# Altium PCB Pleiades_Frouf.PcbDoc (part 1 of 12) (continued)
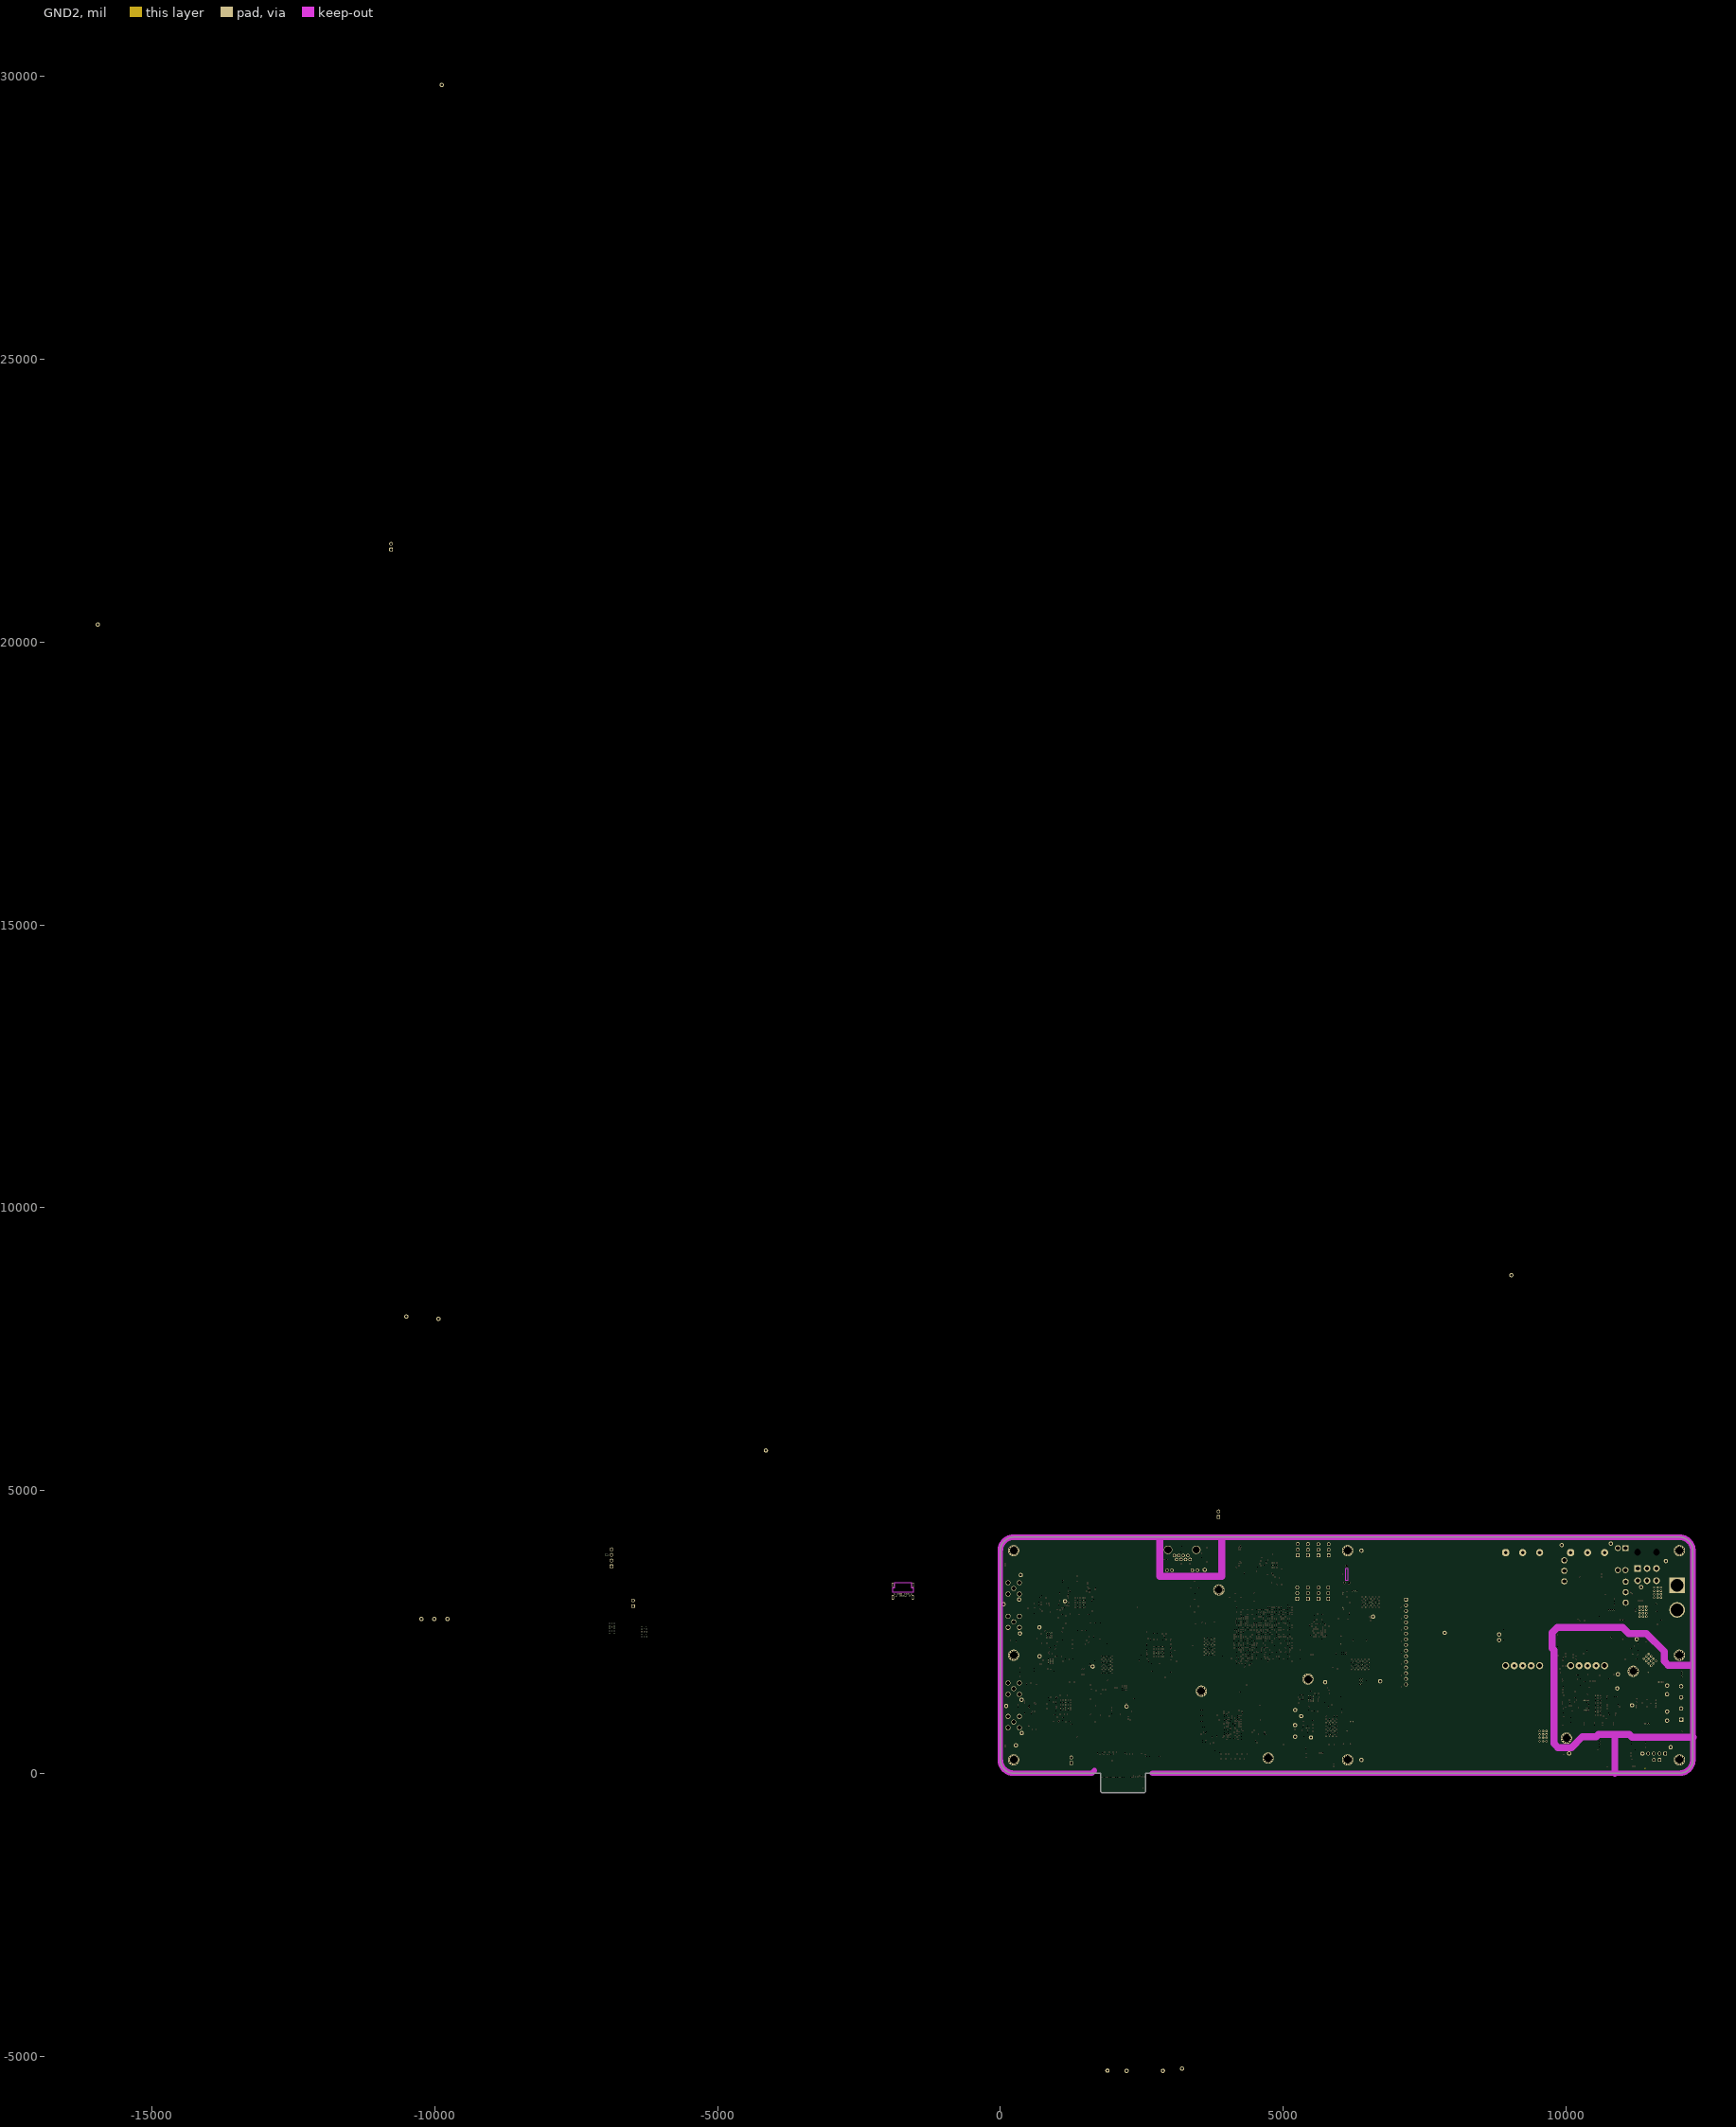
[diagram p4: GND2]
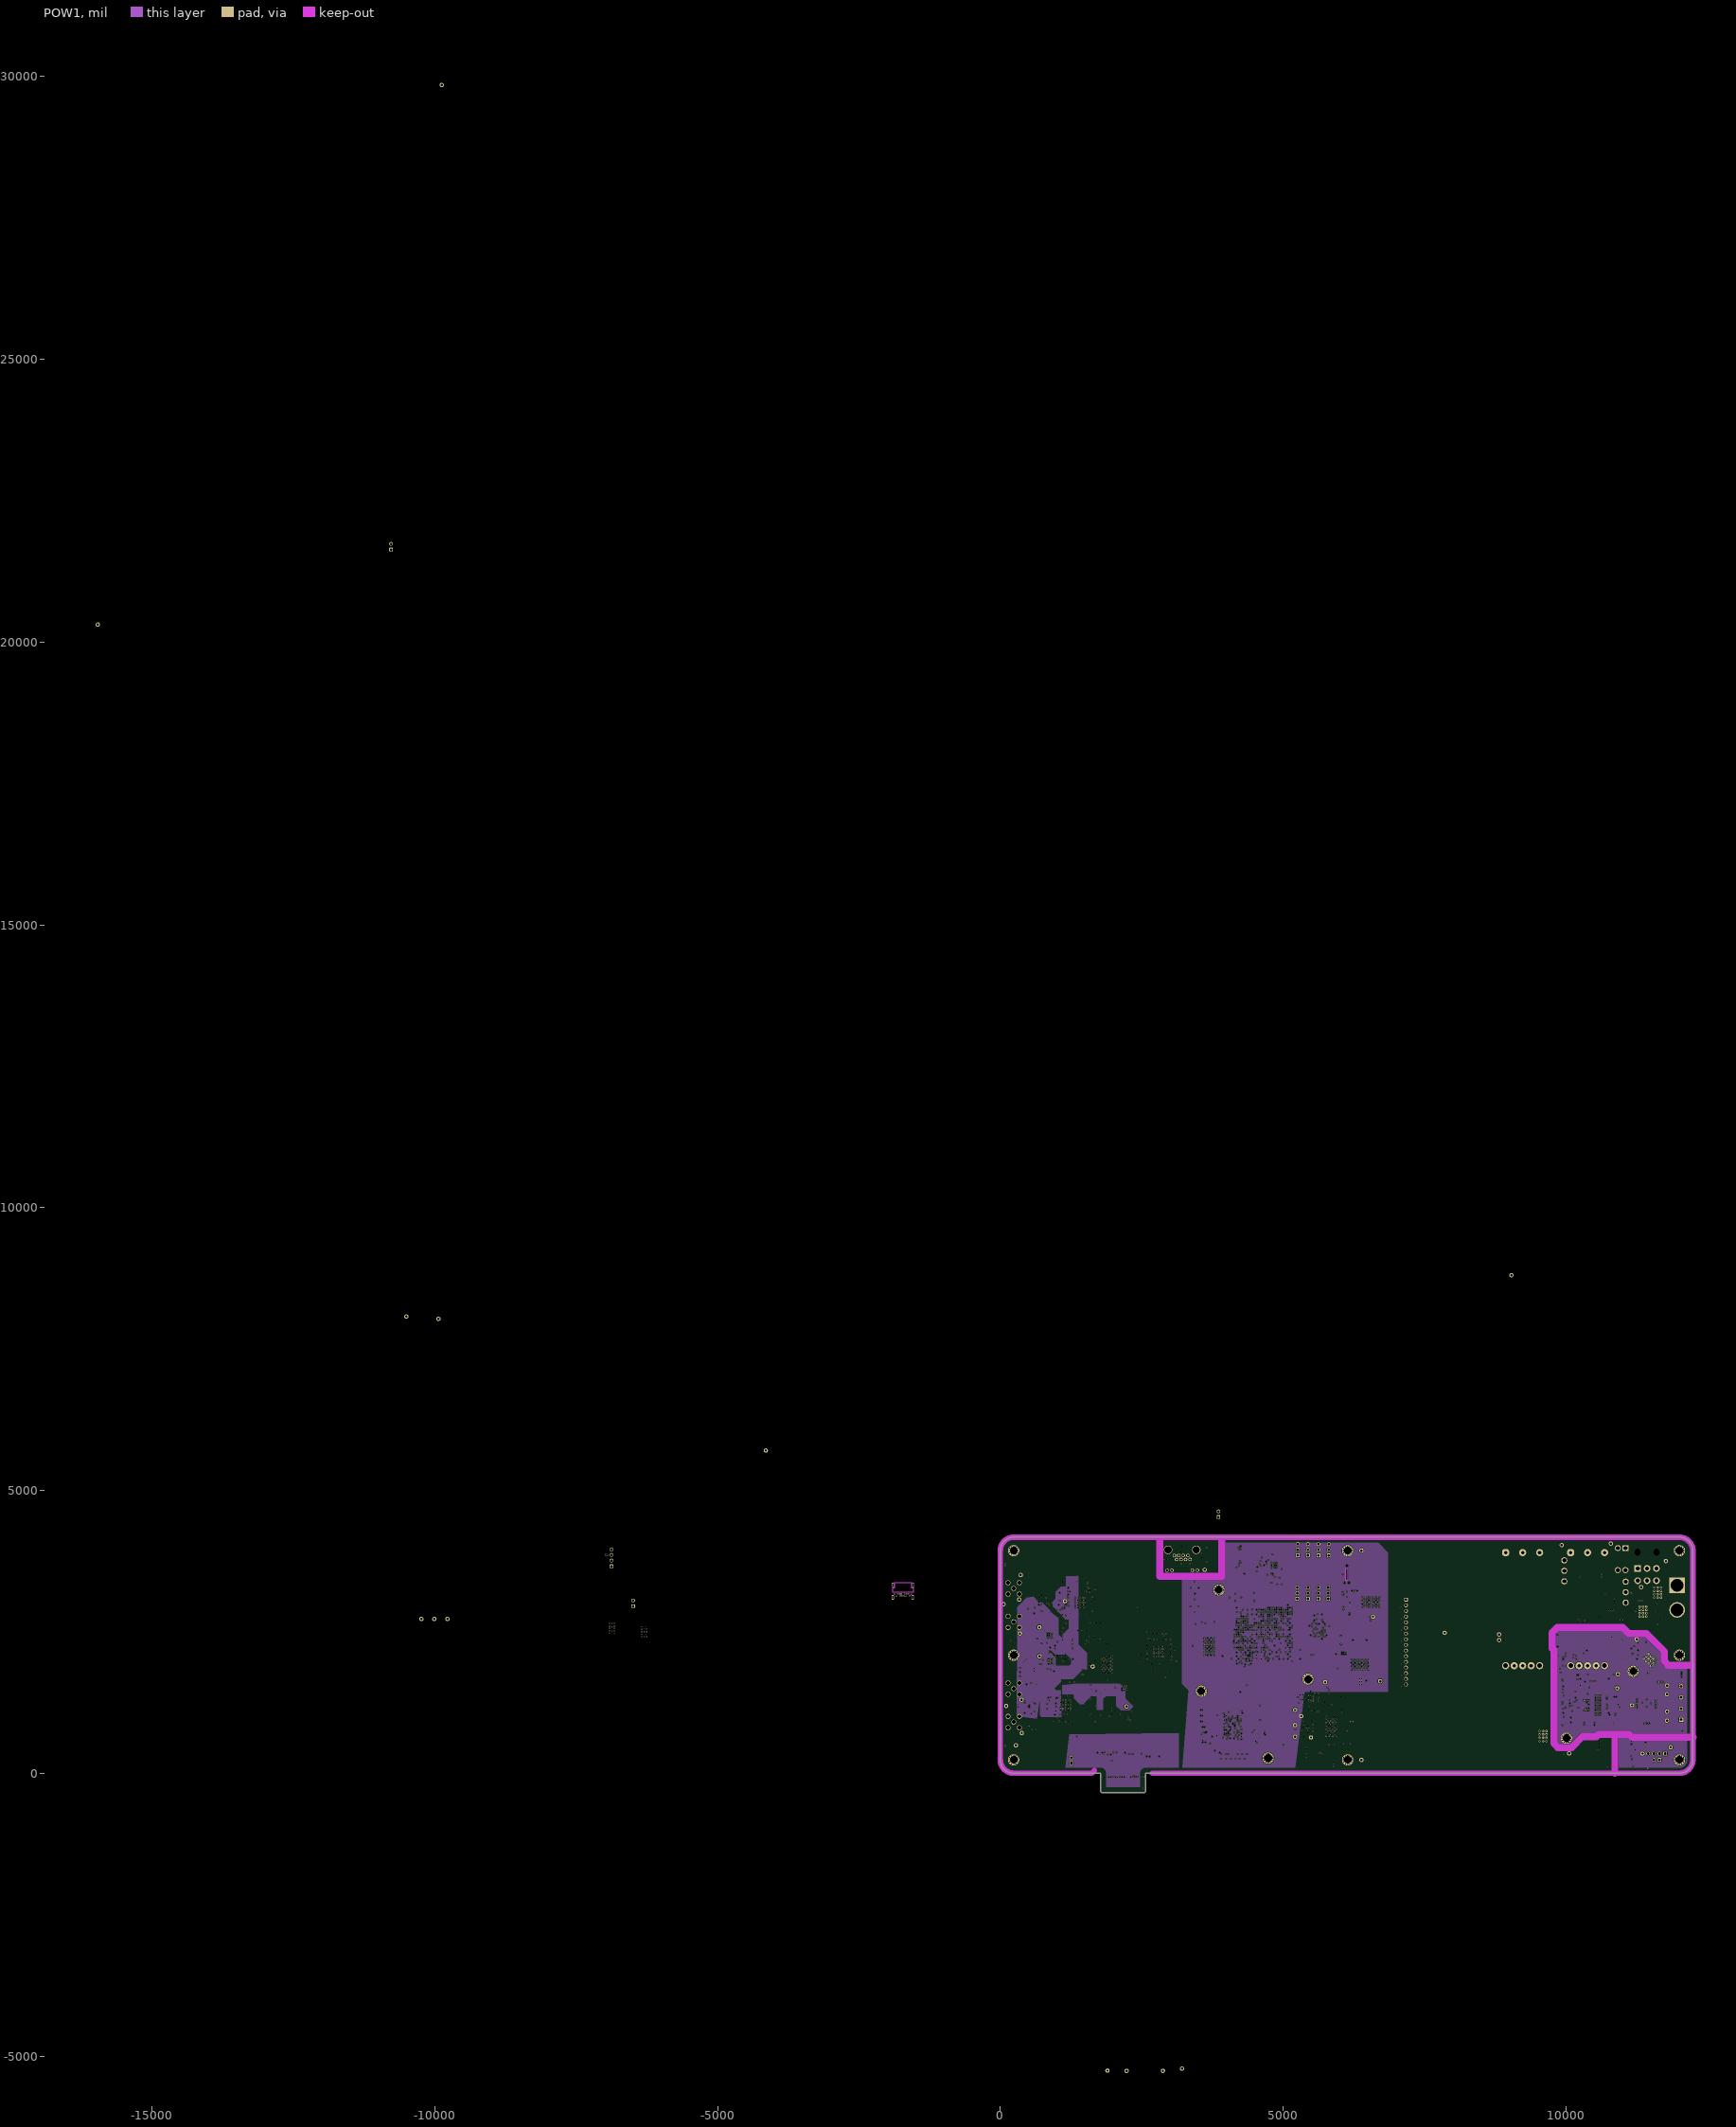
[diagram p5: POW1]
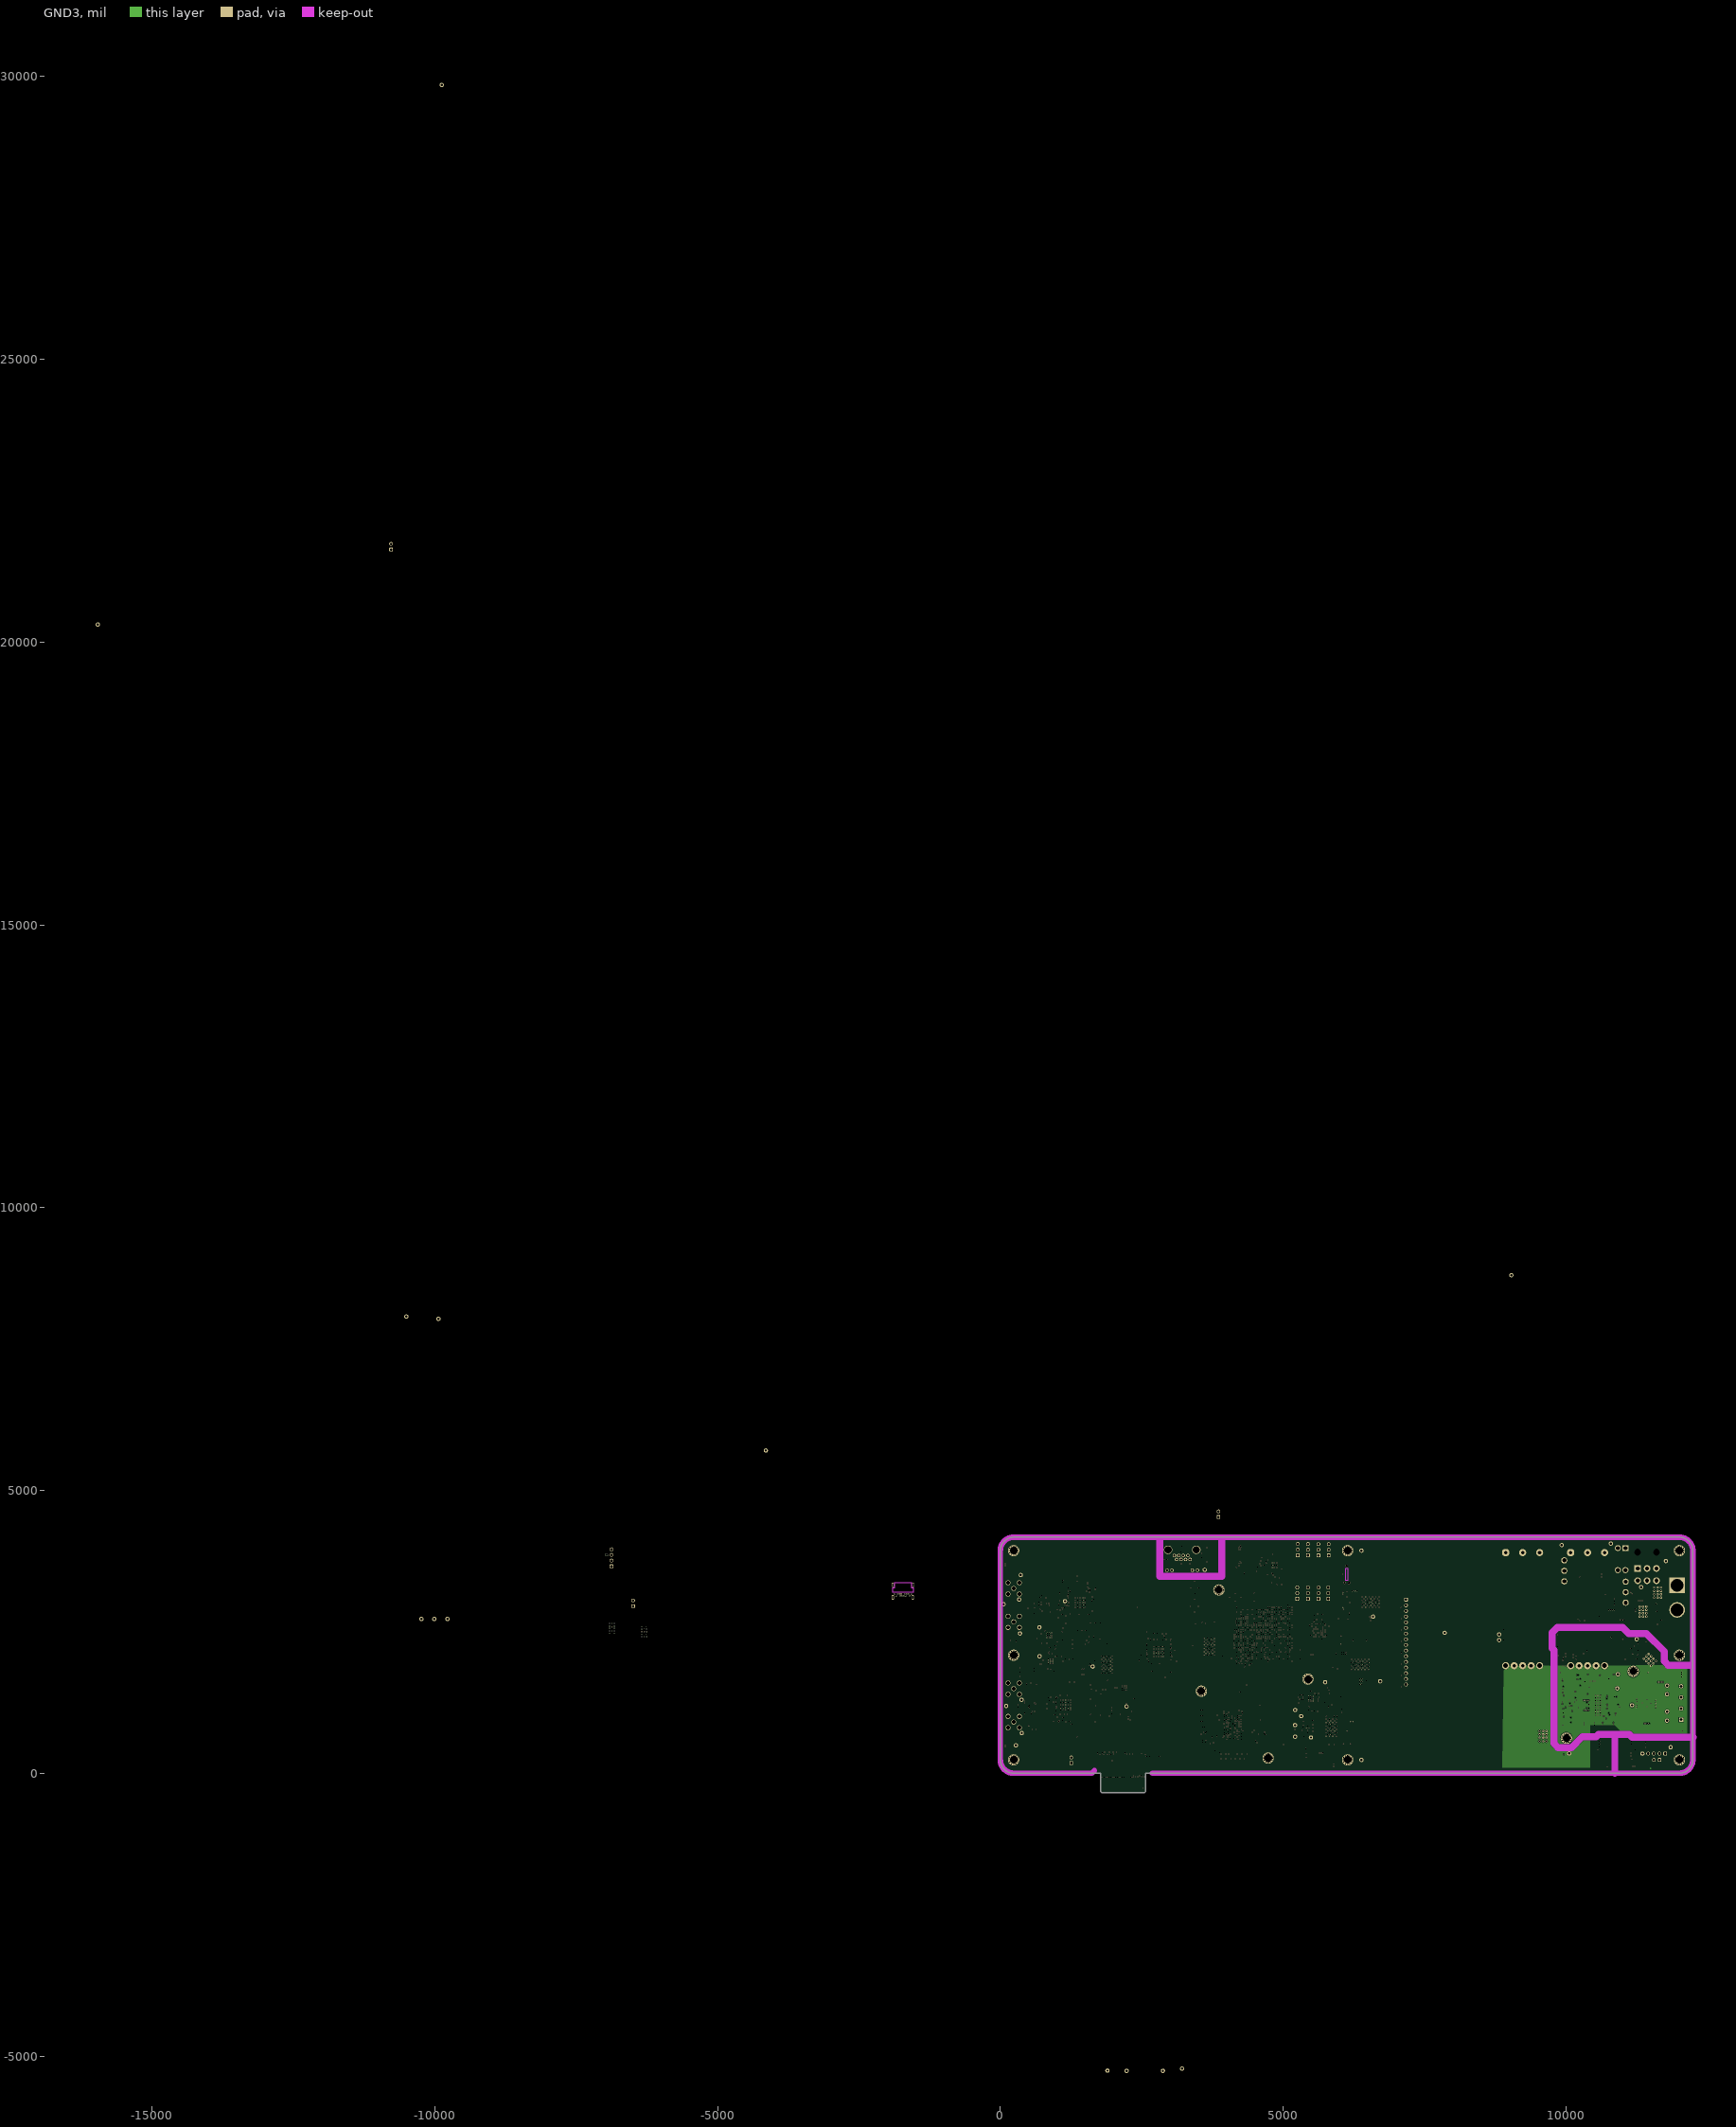
[diagram p6: GND3]
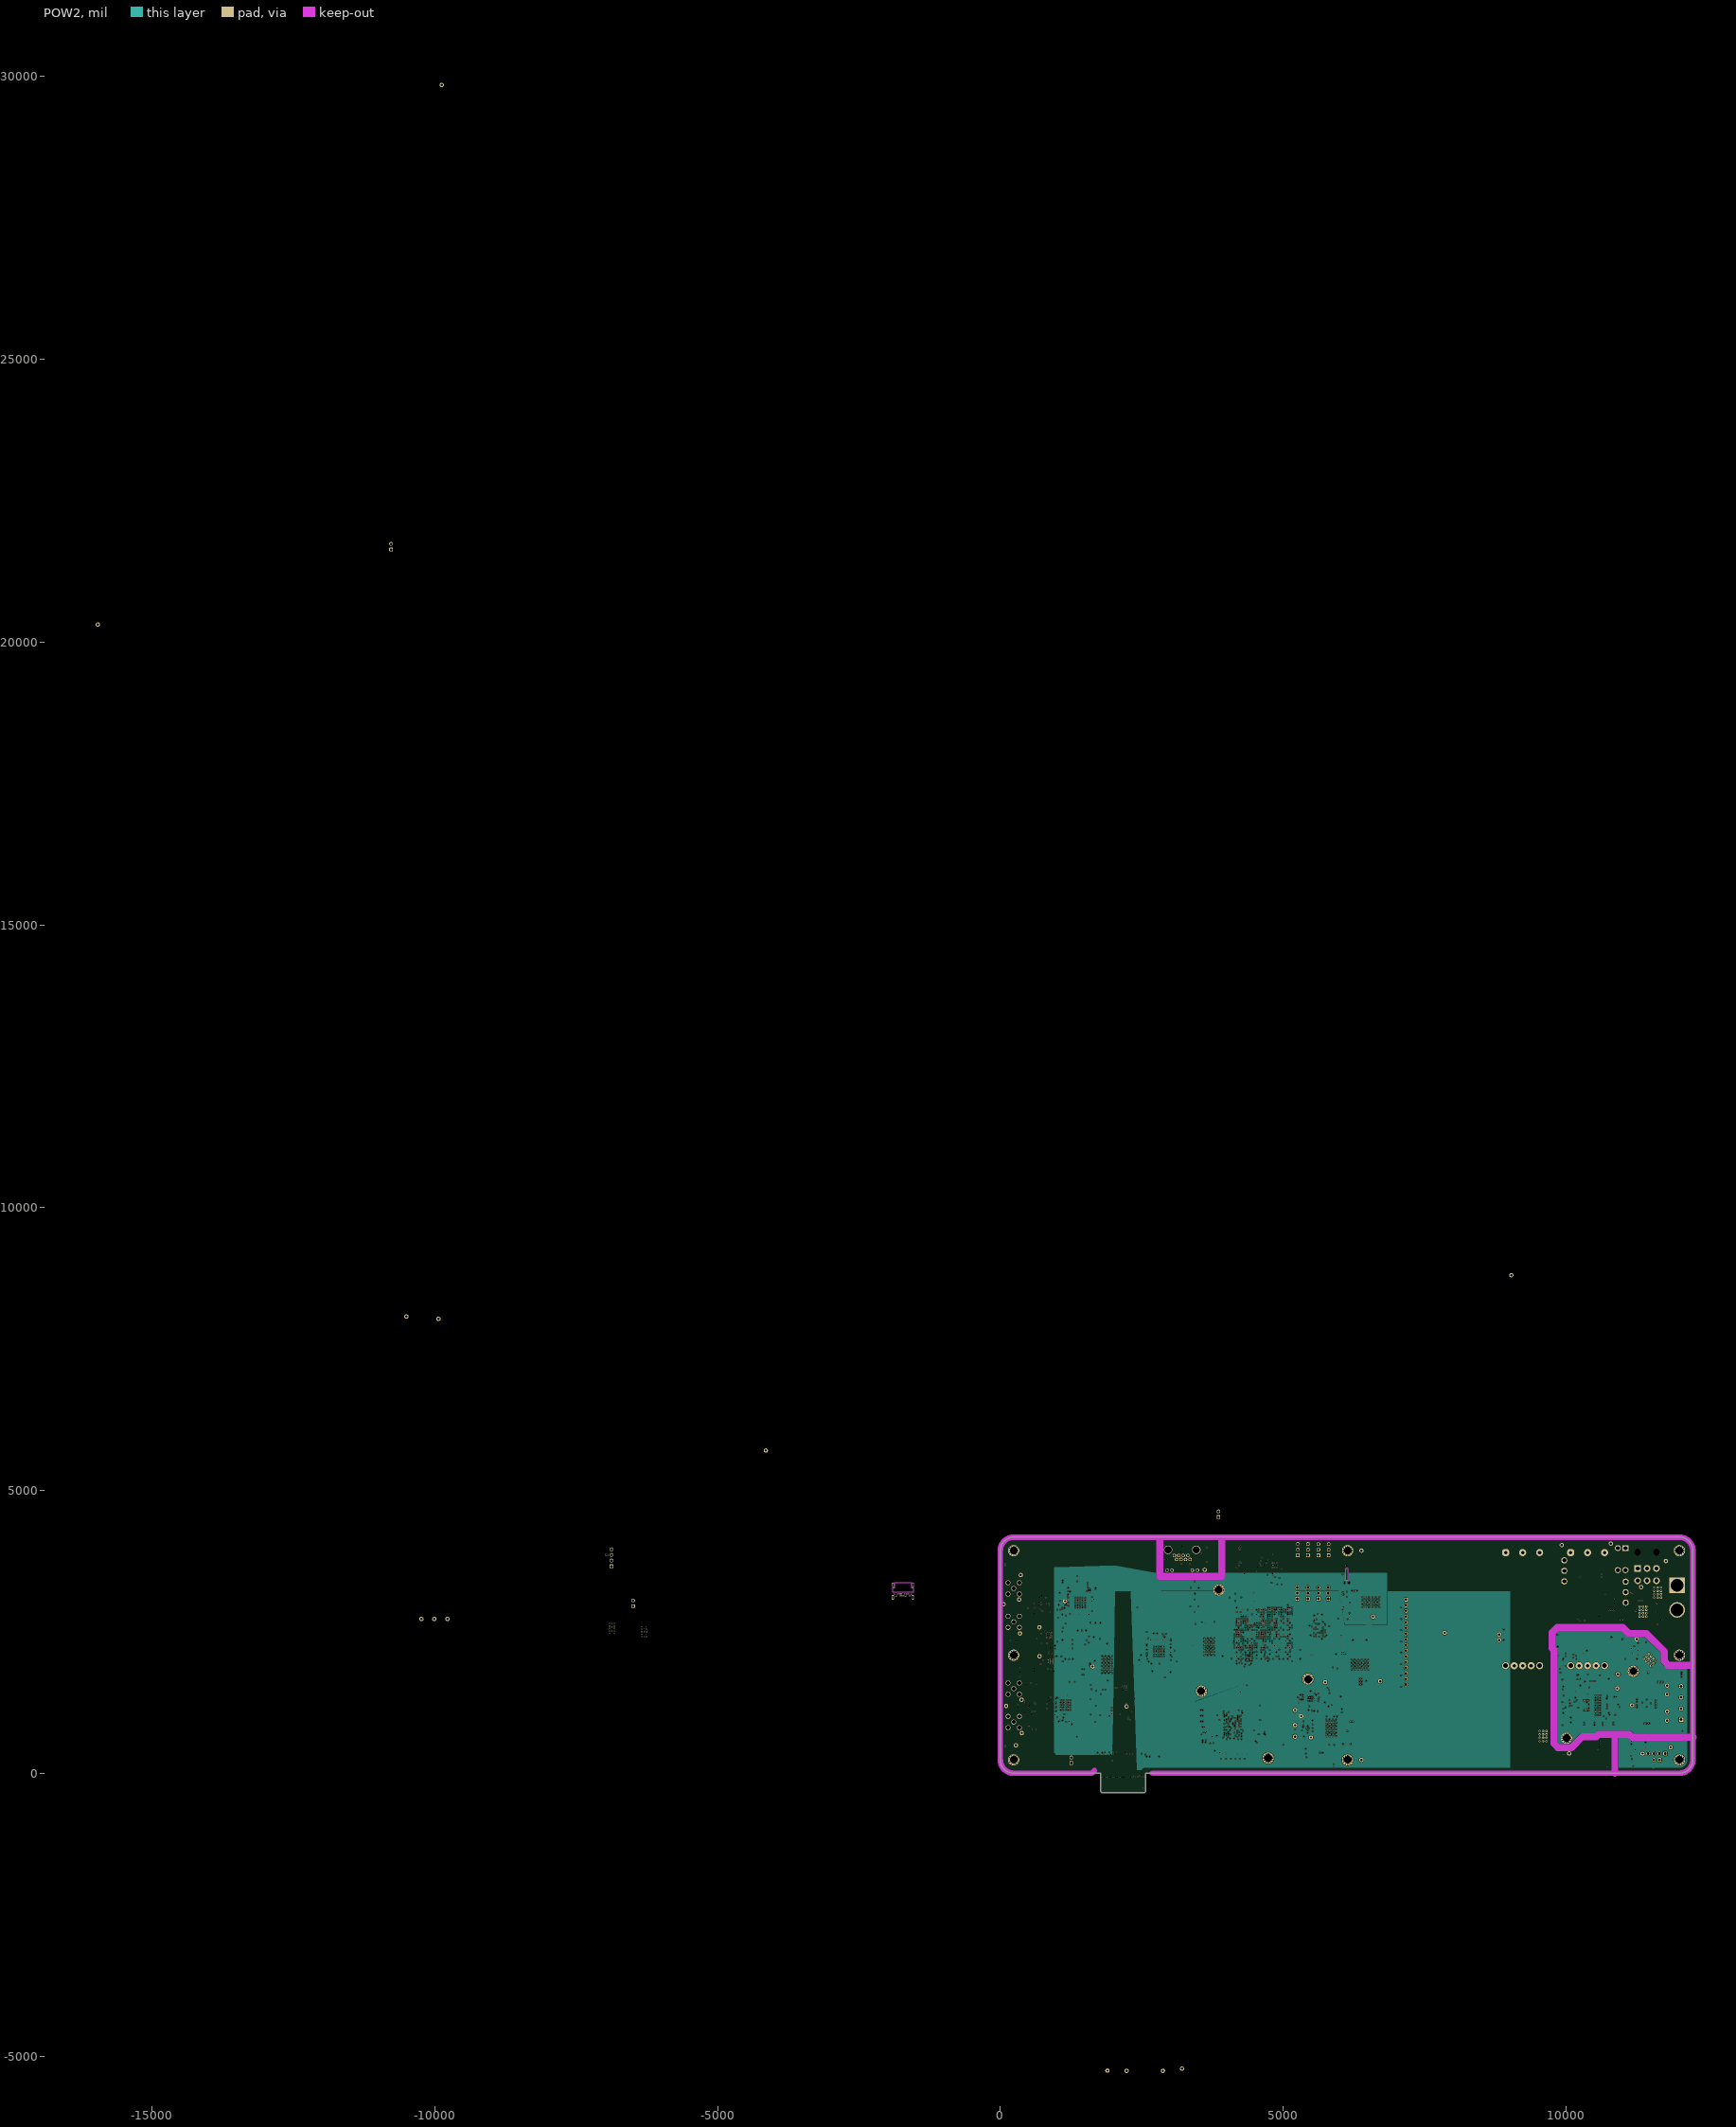
[diagram p7: POW2]